# Altium PCB mantarray_beta2_sensor_arrayed.PcbDoc (part 2 of 4)
Units mil, origin at the board's own origin, x right, y up, seen from the top; angles counter-clockwise.
Board outline 13674.34 x 20798.35 mil, 2 copper layers (Layer1_Top, Layer8_BOT); 47 components, 273 nets, 1821 pads, 734 vias.
Unrouted connection lines stored in the file: 1.
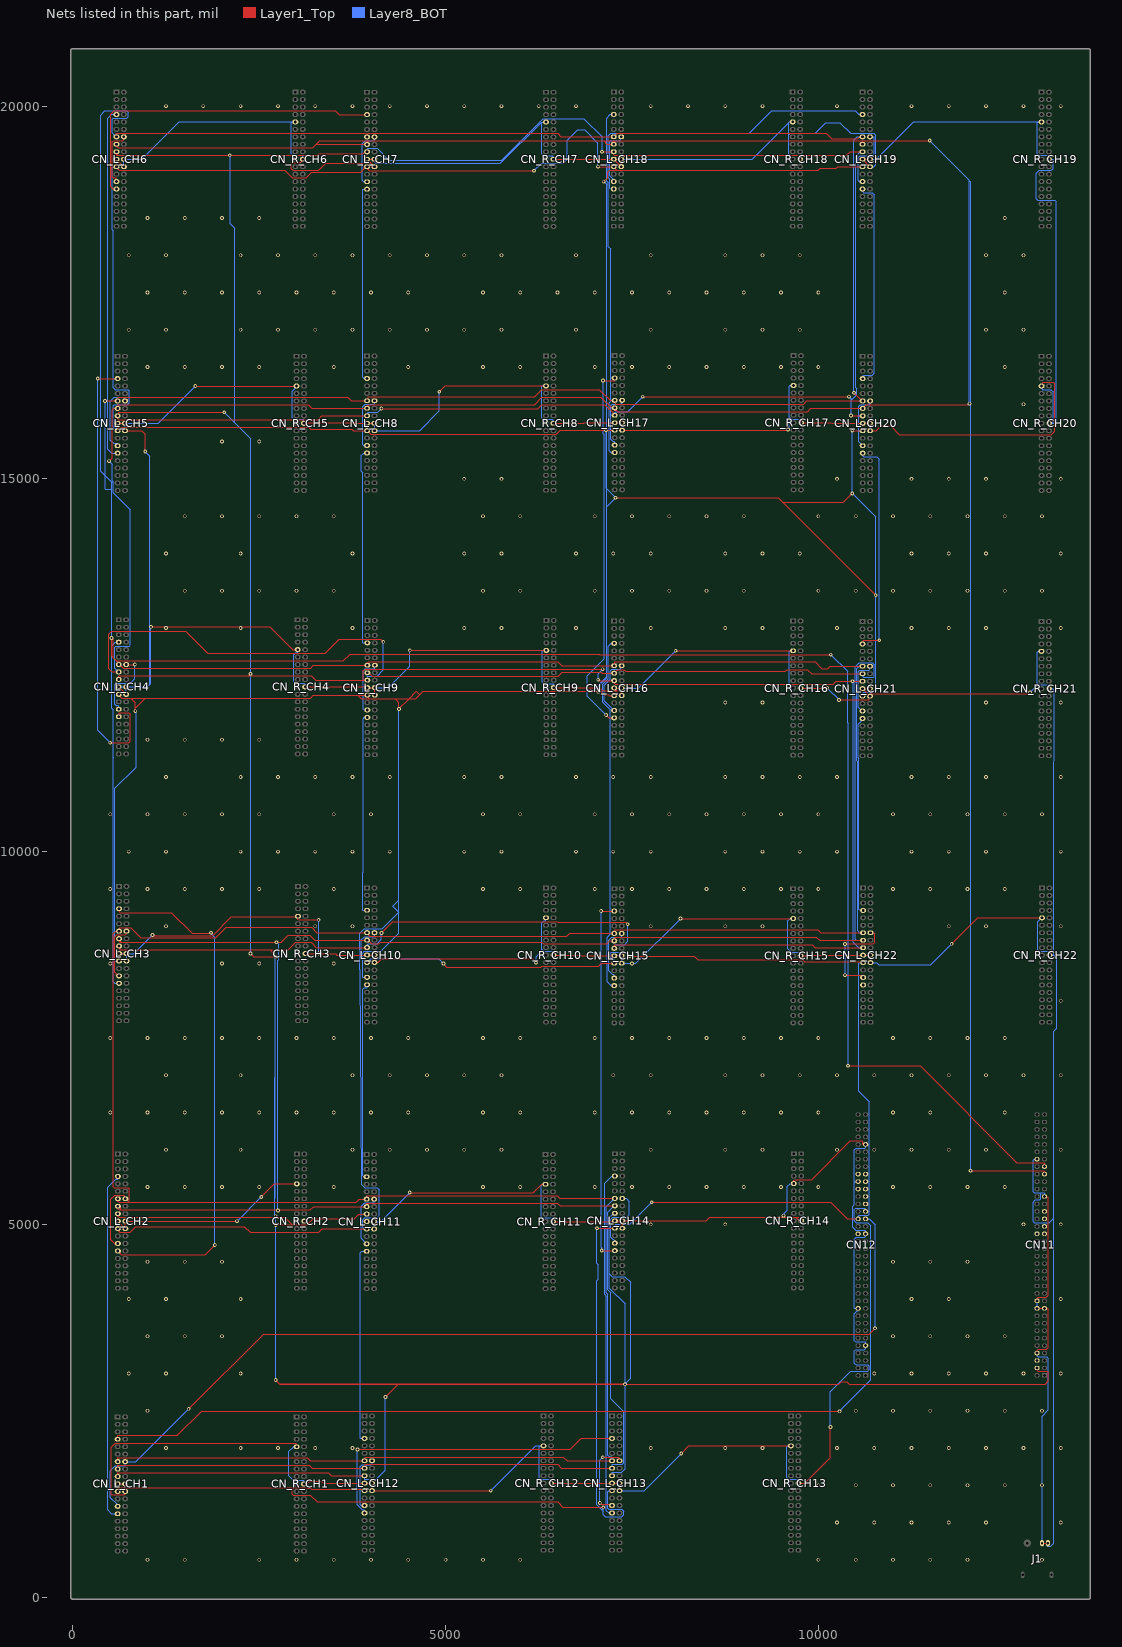
[diagram p2: the nets of this part, all layers, seen from the top]

## Via types
v1: diameter 50, hole 30, Layer1_Top to Layer8_BOT, 454 vias
v2: diameter 50, hole 25, Layer1_Top to Layer8_BOT, 278 vias
v3: diameter 70.87, hole 47.24, Layer1_Top to Layer8_BOT, 2 vias

## Nets (pads, with @x,y where several pads share a name; then routed paths per layer and width w, separated by ;. In a path a pad name is that pad's centre, name@x,y a point inside that pad or via, vN(x,y) a via of type N, cw(c..) or ccw(c..) an arc to the next point about the centre after c; other vN are vias at no path point) (continued)
BUS7: CN12.44 CN_L_CH1.21 CN_L_CH2.21 CN_L_CH3.21 CN_L_CH4.21 CN_L_CH5.21 CN_L_CH6.21 CN_L_CH7.21 CN_L_CH8.21 CN_L_CH9.21 CN_L_CH10.21 CN_L_CH11.21 CN_L_CH12.21 CN_L_CH13.21 CN_L_CH14.21 CN_L_CH15.21 CN_L_CH16.21 CN_L_CH17.21 CN_L_CH18.21 CN_L_CH19.21 CN_L_CH20.21 CN_L_CH21.21 CN_L_CH22.21 | length 91356.8
  Layer1_Top w10: CN_L_CH6.21@584.19,19187.8 584.19,19180 624.19,19140 2842,19140 2942,19040 3132,19040 3207,19115 3864,19115 3911,19162 3911,19186.46 CN_L_CH7.21@3946.34,19186.46 3946.34,19160 3972.34,19134 v2(6185,19134) ; CN_L_CH5.21@599.88,15645.12 599.88,15676 618.88,15695 3165.05,15695 3193.36,15666.69 3738.31,15666.69 3757.91,15647.09 CN_L_CH8.21@3946.34,15647.09 3947.91,15647.09 3996,15599 6485.65,15599 6539.64,15652.99 v2(7152,15652.99) CN_L_CH17.21@7267.2,15652.99 ; CN_L_CH1.21@600.91,1417.8 610,1417.8 610,1449 627,1466 2971,1466 ; CN_L_CH2.21@603.88,4943.31 603.88,4919 627.88,4895 767,4895 840,4968 2302,4968 2379,4891 3295,4891 3342.43,4938.43 CN_L_CH11.21@3940.43,4938.43 ; CN_L_CH4.21@615.14,12109.69 635,12109.69 635,12078 653,12060 778,12060 ; v2(838,11884) 838,11924 ; CN_L_CH12.21@3912.87,1428.58 3892.25,1428.58 3872.02,1448.82 3205.18,1448.82 3194,1460 ; v2(4970,8499) 4970,8494 5014.2,8449.8 6273,8449.8 6288.2,8465 7052.24,8465 7090,8502.76 CN_L_CH15.21@7262.15,8502.76 ; v2(7029,4948) CN_L_CH14.21@7270.02,4948.03 ; v2(7043,19188.43) CN_L_CH18.21@7255.39,19188.43 7275,19188.43 7275,19157 7293,19139 ; v2(7051,12146) v2@7051,12150 ; v2(7115,1204) 6574,1204 6501,1277 3277,1277 3186,1368 2957,1368 2945,1380 2945,1440 2971,1466 ; v2(7120,18987) 7175,19042 7175,19114 7200,19139 7293,19139 ; CN_L_CH16.21@7261.3,12093.94 7196,12093.94 7188.5,12101.44 7126.4,12101.44 7077.84,12150 v2@7051,12150 ; v2(7279,14747) 9460.06,14747 9521.06,14686 ; v2(7465,8598) 8337,8598 8383,8552 9791,8552 9819,8524 10575,8524 10587.74,8511.26 CN_L_CH22.21@10599.88,8511.26 ; v2(7765,5296) 10167,5296 10389.38,5073.62 CN12.44@10533.8,5073.62 ; v2(10454,14804) 10336,14686 9521.06,14686 ; v2(10454,15646) 10454.88,15645.12 CN_L_CH20.21@10593.98,15645.12 ; CN_L_CH19.21@10592.46,19187.8 10260,19187.8 10242.2,19170 10028,19170 9997,19139 7293,19139 ; v2(10768,13439.06) 9521.06,14686 ; 778,12060 974,12060 ; 778,12060 838,12000 838,11924 ; 838,11924 974,12060 ; 974,12060 3191.16,12060 3226.79,12095.63 ; 2971,1466 3142,1466 ; 3142,1466 3188,1466 3194,1460 ; 3142,1466 3148,1460 3194,1460 ; 3226.79,12095.63 CN_L_CH9.21@3950,12099.84 ; 3226.79,12095.63 3818.37,12095.63 3866,12048 4325,12048 4373,12000 v2(4373,11914) 4509,12050 ; CN_L_CH9.21@3950,12099.84 3950,12069 3988,12050 4509,12050 ; CN_L_CH9.21@3950,12099.84 CN_L_CH9.21@3950.28,12099.84 CN_L_CH9.21@3950,12099.84 ; 4509,12050 4598,12050 4653.5,12105.5 ; 4509,12050 4609,12150 4653.5,12105.5 ; 4653.5,12105.5 4698,12150 v2(6942,12150) v2@7051,12150
  Layer8_BOT w10: CN_L_CH6.21@584.19,19187.8 540,19187.8 529,19176.8 529,18340 544,18325 544,16220 571,16193 742,16193 755,16180 755,16020 728,15993 557,15993 544,15980 544,15698 566,15676 599.88,15676 CN_L_CH5.21@599.88,15645.12 ; CN_L_CH3.21@619.57,8532.91 564.57,8532.91 564.57,10847 852,11134.43 852,11892 846,11898 838,11898 v2(838,11884) ; CN_L_CH11.21@3940.43,4938.43 3906,4938.43 3885.43,4958.99 3885.43,5060 3913.43,5088 4080,5088 4107,5115 4107,5464 4081,5490 3914,5490 3865,5539 3851,8414 3851,8906 3908,8963 4149,8963 4373,9187 ; v2(4373,11914) 4373,9348 ; v2(4970,8499) 4906,8563 3996,8563 3977,8544 3977,8513.23 CN_L_CH10.21@3946.34,8513.23 3931,8513.23 3931,8544 3891.34,8583.66 3891.34,8646.34 3908,8663 4133,8663 4373,8903 4373,9187 ; v2(6185,19134) 6287,19236 6580,19236 6631,19287 6631,19539 6772,19680 6866,19680 7043,19503 v2(7043,19188.43) ; v2(6942,12150) 6977.48,12150 7051,12223.52 ; v2(7029,4948) 7029,4478.33 7049,4458.33 7049,4265.5 7029,4245.5 7029,1240 7115,1154 ; v2(7051,12146) 7051,12223.52 ; v2(7115,1204) 7115,1154 ; v2(7120,18987) 7126.48,18987 7160,18953.48 7160,14866 ; v2(7152,15652.99) 7152,14874 7160,14866 ; CN_L_CH13.21@7231.77,1428.58 7190,1428.58 7176.77,1415.35 7176.77,1190.23 7188,1179 7360,1179 7387,1152 7387,1108 7360,1081 7140,1081 7115,1106 7115,1154 ; CN_L_CH15.21@7262.15,8502.76 7263,8502.76 7263,8542.26 7250,8555.26 7231.89,8555.26 7207.15,8580 7207.15,8640 7219.15,8652 7411,8652 v2(7465,8598) ; CN_L_CH14.21@7270.02,4948.03 7270.02,4990 7280.02,5000 7469,5000 v2(7765,5296) ; v2(10454,15646) v2(10454,14804) 10768,14490.49 v2(10768,13439.06) 10768,12179 10727,12138 10610,12138 10592.01,12120.01 CN_L_CH21.21@10592.01,12086.06 ; CN12.44@10533.8,5073.62 10533.8,5110 10547.8,5124 10670,5124 10685,5139 10685,6648 10544,6789 10544,8500 10555.26,8511.26 CN_L_CH22.21@10599.88,8511.26 ; 4373,9187 4373,9348 ; 4373,9187 4292.5,9267.5 4373,9348 ; 7051,12223.52 7160,12332.52 7160,12345.74 ; 7051,12223.52 7051,12236.74 7160,12345.74 ; 7160,12345.74 7160,14628 ; 7160,14628 7160,14866 ; 7160,14628 v2(7279,14747) 7160,14866
BUS8: CN12.40
BUS9: CN12.52
BUS10: CN12.47
BUS11: CN12.56
BUS12: CN12.49
BUS13: CN12.55
BUS14: CN12.51
BUS15: CN12.53
BUS_C0: CN11.57 CN_L_CH1.13 CN_L_CH2.13 CN_L_CH3.13 CN_L_CH4.13 CN_L_CH5.13 CN_L_CH6.13 CN_L_CH7.13 CN_L_CH8.13 CN_L_CH9.13 CN_L_CH10.13 CN_L_CH11.13 CN_L_CH12.13 CN_L_CH13.13 CN_L_CH14.13 CN_L_CH15.13 CN_L_CH16.13 CN_L_CH17.13 CN_L_CH18.13 CN_L_CH19.13 CN_L_CH20.13 CN_L_CH21.13 CN_L_CH22.13 | length 97955.6
  Layer1_Top w10: v2(431,16045.12) CN_L_CH5.13@599.88,16045.12 599.88,16082.88 610,16093 3686.09,16093 3732,16047.09 CN_L_CH8.13@3946.34,16047.09 3960,16099 6196,16099 6292,16195 7062.99,16195 7205,16052.99 CN_L_CH17.13@7267.2,16052.99 7267.2,16019.8 7284,16003 9801,16003 9843.12,16045.12 CN_L_CH20.13@10593.98,16045.12 10593.98,16076 10556,16076 v2(10477,16155) ; CN_L_CH6.13@584.19,19587.8 584.19,19636 3930.34,19636 3946.34,19620 ; CN_L_CH1.13@600.91,1817.8 600.91,1868 3142,1868 3181.42,1828.58 CN_L_CH12.13@3912.87,1828.58 3912.87,1861.87 3930,1879 6579,1879 6629.42,1828.58 CN_L_CH13.13@7231.77,1828.58 ; CN_L_CH2.13@603.88,5343.31 603.88,5310 618.88,5295 734,5295 ; CN_L_CH7.13@3946.34,19586.46 3946.34,19620 ; CN_L_CH18.13@7255.39,19588.43 6546.57,19588.43 6501,19634 3960,19634 3946.34,19620.34 3946.34,19620 ; CN_L_CH18.13@7255.39,19588.43 7305,19638 10103,19638 10179,19562 10526,19562 10551.8,19587.8 CN_L_CH19.13@10592.46,19587.8 ; CN_L_CH14.13@7270.02,5348.03 6533.97,5348.03 6496,5386 3940.43,5386 CN_L_CH11.13@3940.43,5338.43 3844.43,5338.43 3801,5295 734,5295 ; v2(10166,12642) 7068,12642 7060,12650 3718,12650 3628,12560 580,12560 ; v2(10398,7128) 11365,7128 12664,5829 13020,5829 13033.8,5815.2 CN11.57@13033.8,5773.62 ; CN_L_CH21.13@10592.01,12486.06 10157.7,12486.06 10126,12454.37 10046,12454.37 9956.37,12544 7275.3,12544 7261.3,12530 CN_L_CH16.13@7261.3,12493.94 6559.94,12493.94 6503.88,12550 3960.28,12550 3950.28,12540 CN_L_CH9.13@3950.28,12499.84 3226.84,12499.84 3189,12462 675.32,12462 627.64,12509.69 CN_L_CH4.13@615.14,12509.69 615.14,12524.86 580,12560 ; CN_L_CH22.13@10599.88,8911.26 10030.74,8911.26 9989,8953 7275.15,8953 7262.15,8940 CN_L_CH15.13@7262.15,8902.76 6661.76,8902.76 6622,8863 3984,8863 3965,8882 3965,8913.23 CN_L_CH10.13@3946.34,8913.23 3273.77,8913.23 3204,8983 2059,8983 1919,8843 913,8843 775,8981 630,8981 619.57,8970.57 CN_L_CH3.13@619.57,8932.91 576.91,8932.91 544,8900 544,5504 555,5493 746,5493 759,5480 759,5320 734,5295 ; 540,12600 580,12560 ; 540,12600 518,12622 v2(518,12865) 540,12843 540,12600
  Layer8_BOT w10: v2(431,16045.12) 431,15042.12 ; v2(518,12865) 518,14858 ; CN_L_CH6.13@584.19,19587.8 584.19,19619 550,19619 529,19640 529,19827 540,19838 720,19838 740,19858 740,19916 720,19936 430,19936 374,19880 374,15099.12 431,15042.12 ; CN_L_CH13.13@7231.77,1828.58 7231.77,1870 7220.69,1881.08 7200,1881.08 7176.77,1904.31 7176.77,4060.53 7155.02,4082.28 7155.02,5233.03 CN_L_CH14.13@7270.02,5348.03 ; v2(10166,12642) 10391,12417 10391,11729.89 10398,11722.89 v2(10398,7128) ; v2(10477,16155) 10477,19544.8 10520,19587.8 CN_L_CH19.13@10592.46,19587.8 ; CN_L_CH21.13@10592.01,12486.06 10550,12486.06 10517.01,12453.07 10517.01,11218.56 10524.88,11210.69 10524.88,8936.38 10550,8911.26 CN_L_CH22.13@10599.88,8911.26 ; 431,15042.12 518,14955.12 518,14858 ; 431,15042.12 431,14858 518,14858
BUS_C1: CN11.55 CN_L_CH1.15 CN_L_CH2.15 CN_L_CH3.15 CN_L_CH4.15 CN_L_CH5.15 CN_L_CH6.15 CN_L_CH7.15 CN_L_CH8.15 CN_L_CH9.15 CN_L_CH10.15 CN_L_CH11.15 CN_L_CH12.15 CN_L_CH13.15 CN_L_CH14.15 CN_L_CH15.15 CN_L_CH16.15 CN_L_CH17.15 CN_L_CH18.15 CN_L_CH19.15 CN_L_CH20.15 CN_L_CH21.15 CN_L_CH22.15 | length 93483.4
  Layer1_Top w10: v2(485,15238) 524.88,15277.88 524.88,15919.88 550.12,15945.12 CN_L_CH5.15@599.88,15945.12 599.88,15982.88 610,15993 3155,15993 3200.91,15947.09 CN_L_CH8.15@3946.34,15947.09 3946.34,15981 3962.34,15997 6193,15997 6291,16095 7083,16095 7225.01,15952.99 CN_L_CH17.15@7267,15952.99 ; CN_L_CH6.15@584.19,19487.8 584.19,19464 608.19,19440 3216,19440 3262.46,19486.46 ; CN_L_CH1.15@600.91,1717.8 600.91,1768 3172,1768 3211.42,1728.58 CN_L_CH12.15@3912.87,1728.58 3912.87,1761.87 3930,1779 6501,1779 6551.42,1728.58 CN_L_CH13.15@7231.77,1728.58 ; CN_L_CH4.15@615.14,12409.69 520,12409.69 478,12451.69 478,12915 521,12958 1514,12958 1812,12660 3386,12660 3576,12850 4129,12850 v2(4165,12814) ; CN_L_CH3.15@619.57,8832.91 CN_L_CH3.15@619.57,8817 ; v2(2751,5187) v2@2743,5195 ; CN_L_CH9.15@3950.28,12399.84 3965.81,12399.84 4013.66,12352 6511,12352 6563.15,12404.15 7088.59,12404.15 7098.8,12393.94 CN_L_CH16.15@7261.3,12393.94 7261.3,12397.3 7306,12442 7391,12442 7416,12417 9558,12417 9583,12442 9852,12442 9907.94,12386.06 CN_L_CH21.15@10592.01,12386.06 ; CN_L_CH17.15@7267.2,15952.99 CN_L_CH17.15@7267,15952.99 ; CN_L_CH14.15@7270.02,5248.03 6536.97,5248.03 6499,5286 3940.43,5286 CN_L_CH11.15@3940.43,5238.43 3228.43,5238.43 3185,5195 v2@2743,5195 ; CN_L_CH19.15@10592.46,19487.8 10592.46,19520.46 ; CN_L_CH22.15@10599.88,8811.26 10015.74,8811.26 9974,8853 7275.15,8853 7262.15,8840 CN_L_CH15.15@7262.15,8802.76 7200,8802.76 7158.24,8761 6308,8761 6287,8782 4123,8782 4106,8765 4007,8765 3980,8792 3946.34,8792 CN_L_CH10.15@3946.34,8813.23 3242.77,8813.23 3175,8881 2891,8881 2795,8785 v2(2730,8785) 651.57,8785 ; v2(11494,19538) 10610,19538 ; v2(12026,16009) 12012,15995 10644,15995 10594.12,15945.12 CN_L_CH20.15@10593.98,15945.12 9897.12,15945.12 9855,15903 7305,15903 7286,15922 7267,15922 CN_L_CH17.15@7267,15952.99 ; v2(12042,5719) 13020,5719 13033.8,5705.2 CN11.55@13033.8,5673.62 ; CN_L_CH3.15@619.57,8817 619.57,8795.43 630,8785 651.57,8785 ; CN_L_CH3.15@619.57,8817 651.57,8785 ; 649,5195 v2@2743,5195 ; 649,5195 618.88,5195 603.88,5210 CN_L_CH2.15@603.88,5243.31 641,5243.31 641,5203 649,5195 ; 3262.46,19486.46 3310,19534 3960,19534 ; 3262.46,19486.46 CN_L_CH7.15@3946.34,19486.46 3946.34,19520.34 3960,19534 ; 3960,19534 7080,19534 ; 7080,19534 7119,19534 7164.57,19488.43 CN_L_CH18.15@7255.39,19488.43 7255.39,19523.39 7270,19538 ; 7080,19534 7084,19538 7270,19538 ; 7270,19538 10580,19538 ; 10580,19538 10610,19538 ; 10580,19538 10592.46,19525.54 10592.46,19520.46 ; 10592.46,19520.46 10610,19538
  Layer8_BOT w10: v2(485,15238) 524.88,15198.12 524.88,14977.62 544,14958.5 544,14812 771,14585 771,12769 760,12758 578.14,12758 560.14,12740 560.14,12462 579,12443.14 579,12409.69 CN_L_CH4.15@615.14,12409.69 ; v2(2730,8785) 2758.31,8756.69 2758.31,8549.82 2751,8542.51 v2(2751,5187) ; CN_L_CH9.15@3950.28,12399.84 3950.28,12352 4080,12352 4165,12437 v2(4165,12814) ; CN_L_CH13.15@7231.77,1728.58 7231.77,1779 7366,1779 7387,1800 7387,2487 7215.02,2658.98 7215.02,4080.53 7175.02,4120.53 7175.02,5159.27 7263.78,5248.03 CN_L_CH14.15@7270.02,5248.03 ; CN_L_CH21.15@10592.01,12386.06 10592.01,12350 10606.01,12336 10737,12336 10747.01,12346.01 10747.01,12506.99 10720,12534 10551,12534 10497,12480 10497,8826.26 10512,8811.26 CN_L_CH22.15@10599.88,8811.26 ; v2(11494,19538) 12026,19006 12026,18990 ; v2(12026,16009) 12026,18990 ; v2(12042,5719) 12042,18990 12026,18990
BUS_C2: CN11.4 CN_L_CH1.17 CN_L_CH2.17 CN_L_CH3.17 CN_L_CH4.17 CN_L_CH5.17 CN_L_CH6.17 CN_L_CH7.17 CN_L_CH8.17 CN_L_CH9.17 CN_L_CH10.17 CN_L_CH11.17 CN_L_CH12.17 CN_L_CH13.17 CN_L_CH14.17 CN_L_CH15.17 CN_L_CH16.17 CN_L_CH17.17 CN_L_CH18.17 CN_L_CH19.17 CN_L_CH20.17 CN_L_CH21.17 CN_L_CH22.17 | length 101694.7
  Layer1_Top w10: CN_L_CH6.17@584.19,19387.8 CN_L_CH6.17@584.19,19364 ; CN_L_CH1.17@600.91,1617.8 600.91,1668 3428.46,1668 3467.87,1628.58 CN_L_CH12.17@3912.87,1628.58 ; CN_L_CH2.17@603.88,5143.31 603.88,5110 618.88,5095 v2@2705,5095 ; CN_L_CH4.17@615.14,12309.69 615.14,12350 625.14,12360 2358,12360 ; v2(2030,15893) 623.88,15893 599.88,15869 CN_L_CH5.17@599.88,15845.12 599.88,15805.12 610,15795 3288,15795 3340.09,15847.09 CN_L_CH8.17@3946.34,15847.09 ; v2(2383,8632) 2426,8589 v2(2718,8589) ; v2(2384,12386) 2358,12360 ; v2@2718,8590 2691,8617 2691,8640 2646,8685 ; v2(2720,2911) 2771,2860 ; v2(2720,4993) 2941,4993 ; v2(2720,5110) v2@2705,5095 ; CN_L_CH11.17@3940.43,5138.43 3834,5138.43 3773.57,5078 3224,5078 3139,4993 2941,4993 ; CN_L_CH10.17@3946.34,8713.23 3266.77,8713.23 3195,8785 2987,8785 2887,8685 2646,8685 ; CN_L_CH7.17@3946.34,19386.46 3920.46,19386.46 3897,19363 3307,19363 3284,19340 v2(2104,19340) 608.19,19340 ; v2(4138,15943) 6239,15943 6291,15995 7136.2,15995 7267.2,15864 CN_L_CH17.17@7267.2,15852.99 ; v2(4139,8908) 4292,9061 6501,9061 6511,9051 7417,9051 v2(7442,9026) ; v2(4192,2683) 4363,2854 ; v2(7046,12305) 7057.06,12293.94 CN_L_CH16.17@7261.3,12293.94 7261.3,12260 7275.3,12246 10196.94,12246 10237,12286.06 v2(10457,12286.06) CN_L_CH21.17@10592.01,12286.06 ; v2(7099,19388.43) CN_L_CH18.17@7255.39,19388.43 7255.39,19350 7267.39,19338 10375,19338 10424.8,19387.8 CN_L_CH19.17@10592.46,19387.8 ; v2(7106,12448) 3920,12448 3895,12423 3895,12310 CN_L_CH9.17@3950.28,12299.84 3255.16,12299.84 3195,12360 2358,12360 ; CN_L_CH15.17@7262.15,8702.76 7262.15,8740 7275.15,8753 9917.26,8753 9959,8711.26 CN_L_CH22.17@10599.88,8711.26 ; v2@7426,2860 2771,2860 ; v2(7645,16103) v2(10410,16103) ; v2(10439,15850) 10443.88,15845.12 CN_L_CH20.17@10593.98,15845.12 ; CN11.4@12933.8,3073.62 12933.8,3040 12944.8,3029 13070,3029 13085,3014 13085,2899 13040,2854 10413.4,2854 10378.3,2889.1 10305.8,2889.1 10270.7,2854 v2(7407,2854) 4363,2854 ; CN_L_CH6.17@584.19,19364 584.19,19350 594.19,19340 608.19,19340 ; CN_L_CH6.17@584.19,19364 608.19,19340 ; 630,8685 2646,8685 ; 630,8685 CN_L_CH3.17@619.57,8732.91 619.57,8695.43 630,8685 ; v2@2705,5095 2839,5095 2941,4993 ; 2771,2860 2777,2854 4363,2854
  Layer8_BOT w10: v2(2030,15893) 2030.23,15893 2169,15754.23 ; v2(2104,19340) 2111,19333 2111,18421 2169,18363 2169,15754 2384,15539 v2(2384,12386) ; v2(2383,8632) v2@2383,12386 ; v2(2718,8589) 2716,8587 2716,5354 2711,5349 ; v2@2718,8590 2716,8588 2711,5349 ; v2(2720,2911) v2(2720,4993) 2720,5075 2711,5084 v2@2711,5119 ; v2(2720,5110) v2@2711,5119 ; CN_L_CH12.17@3912.87,1628.58 3912.87,1581 4068,1581 4192,1705 v2(4192,2683) ; CN_L_CH10.17@3946.34,8713.23 3946.34,8750 3959.34,8763 4080,8763 4139,8822 v2(4139,8908) ; CN_L_CH8.17@3946.34,15847.09 3946.34,15883.34 3960,15897 4092,15897 v2(4138,15943) ; CN_L_CH7.17@3946.34,19386.46 3946.34,19420.34 3960,19434 4082,19434 4239,19277 5752,19277 6309,19834 6852,19834 7099,19587 v2(7099,19388.43) ; v2(7046,12305) 7046,12388 v2(7106,12448) ; CN_L_CH13.17@7231.77,1628.58 7231.77,1678 7365,1678 7407,1720 v2(7407,2854) 7407,2862.2 7407,3933.53 7195.02,4145.51 7195.02,4340 ; CN_L_CH15.17@7262.15,8702.76 7262.15,8740 7275.15,8753 7400,8753 7442,8795 v2(7442,9026) ; CN_L_CH17.17@7267.2,15852.99 7267.2,15890.2 7280,15903 7445,15903 v2(7645,16103) ; CN_L_CH14.17@7270.02,5148.03 7252.5,5148.03 7195.02,5090.55 7195.02,4340 ; v2@7407.48,2862.2 7484.25,2938.98 7484.25,4221.75 7406,4300 7235.02,4300 7195.02,4340 ; v2(10410,16103) 10439,16074 10439,16052 ; v2(10439,15850) 10439,16052 ; v2(10457,12286.06) 10471,12272.06 10471,8783 10542.74,8711.26 CN_L_CH22.17@10599.88,8711.26 ; CN_L_CH19.17@10592.46,19387.8 10561,19387.8 10498,19324.8 10498,16225 10517,16206 10517,16130 10439,16052 ; v2@2711,5119 2711,5349
BUS_C3: CN11.40
BUS_C4: CN11.39
BUS_C5: CN11.41
BUS_C6: CN11.43
BUS_C7: CN11.45
CHN_BT0_0: CN12.45 CN_L_CH1.7 | length 13123.6
  Layer1_Top w10: CN_L_CH1.7@600.91,2117.8 600.91,2168 1402,2168 1726,2492 v2(10283,2492)
  Layer8_BOT w10: v2(10283,2492) 10704.23,2913.23 10704.23,4980.77 10661,5024 10511,5024 10483.37,5051.63 10483.37,5201.52 10500,5218.15 10620,5218.15 10633.8,5204.35 CN12.45@10633.8,5173.62
CHN_BT0_1: CN_L_CH1.27 CN_L_CH2.7 | length 4707.5
  Layer8_BOT w10: CN_L_CH1.27@600.91,1117.8 516.06,1117.8 464.57,1169.29 464.57,5496.57 572.88,5604.88 603.88,5604.88 CN_L_CH2.7@603.88,5643.31
CHN_BT0_2: CN_L_CH2.27 CN_L_CH3.7 | length 7001.2
  Layer1_Top w10: CN_L_CH2.27@603.88,4643.31 636,4643.31 636,4608 649,4595 1777,4595 v2(1904,4722) ; CN_L_CH3.7@619.57,9232.91 619.57,9193.43 630,9183 1322,9183 1602,8903 1807.36,8903 1812.36,8908 1848.32,8908 v2(1852.36,8912.05)
  Layer8_BOT w10: v2(1852.36,8912.05) 1852.36,8905.51 1904,8853.87 v2(1904,4722)
CHN_BT0_3: CN_L_CH3.27 CN_L_CH4.7 | length 4716.3
  Layer8_BOT w10: CN_L_CH4.7@615.14,12809.69 570,12809.69 520.14,12759.82 520.14,11922.19 540.14,11902.19 540.14,11266.05 544.57,11261.62 544.57,8252.35 564,8232.91 CN_L_CH3.27@619.57,8232.91
CHN_BT0_4: CN_L_CH4.27 CN_L_CH5.7 | length 6064.5
  Layer1_Top w10: v2(334,16345.12) CN_L_CH5.7@599.88,16345.12 ; v2(500,11460) 751,11460 771,11480 771,11840 751,11860 625.14,11860 CN_L_CH4.27@615.14,11809.69
  Layer8_BOT w10: v2(334,16345.12) 334,11626 v2(500,11460)
CHN_BT0_5: CN_L_CH5.27 CN_L_CH6.7 | length 4728.1
  Layer8_BOT w10: CN_L_CH6.7@584.19,19887.8 518.8,19887.8 471,19840 471,15394.12 520,15345.12 CN_L_CH5.27@599.88,15345.12
CHN_BT0_6: CN_L_CH6.27 CN_L_CH7.7 | length 4538.8
  Layer1_Top w10: CN_L_CH6.27@584.19,18887.8 540,18887.8 509.19,18918.6 509.19,19892.19 555,19938 3522,19938 3573.54,19886.46 CN_L_CH7.7@3946.34,19886.46
CHN_BT0_7: CN_L_CH7.27 CN_L_CH8.7 | length 2642.5
  Layer8_BOT w10: CN_L_CH8.7@3946.34,16347.09 3903.91,16347.09 3891,16360 3891,18886.46 CN_L_CH7.27@3946.34,18886.46
CHN_BT0_8: CN_L_CH8.27 CN_L_CH9.7 | length 2671.5
  Layer8_BOT w10: CN_L_CH8.27@3946.34,15347.09 3898.42,15347.09 3871.34,15320 3871.34,15099.25 3891,15079.59 3891,12803.84 3895,12799.84 CN_L_CH9.7@3950.28,12799.84
CHN_BT0_9: CN_L_CH9.27 CN_L_CH10.7 | length 2690.1
  Layer8_BOT w10: CN_L_CH10.7@3946.34,9213.23 3891,9213.23 3891,9716 3895,9720 3895,11784.84 3910,11799.84 CN_L_CH9.27@3950.28,11799.84
CHN_BT0_10: CN_L_CH10.27 CN_L_CH11.7 | length 2671.7
  Layer8_BOT w10: CN_L_CH11.7@3940.43,5638.43 3896.57,5638.43 3885,5650 3885,8155 3907.34,8177.34 3946.34,8177.34 CN_L_CH10.27@3946.34,8213.23
CHN_BT0_11: CN_L_CH11.27 CN_L_CH12.7 | length 2636.7
  Layer8_BOT w10: CN_L_CH12.7@3912.87,2128.58 3861,2128.58 3857,2132.58 3857,4621.12 3874.31,4638.43 CN_L_CH11.27@3940.43,4638.43
CHN_BT0_12: CN_L_CH12.27 CN_L_CH13.7 | length 4379.7
  Layer1_Top w10: v2(3817,1981) 6670.84,1981 6818.42,2128.58 CN_L_CH13.7@7231.77,2128.58
  Layer8_BOT w10: v2(3817,1981) 3817,1237 3880,1174 3900,1174 3912.87,1161.13 CN_L_CH12.27@3912.87,1128.58
CHN_BT0_13: CN_L_CH13.27 CN_L_CH14.7 | length 4664.9
  Layer8_BOT w10: CN_L_CH13.27@7231.77,1128.58 7187.42,1128.58 7156.77,1159.23 7156.77,4038.78 7135.02,4060.53 7135.02,5553.05 7230,5648.03 CN_L_CH14.7@7270.02,5648.03
CHN_BT0_14: CN_L_CH14.27 CN_L_CH15.7 | length 4909.6
  Layer1_Top w10: v2(7086,9202.76) CN_L_CH15.7@7262.15,9202.76 ; v2(7095.02,4648.03) CN_L_CH14.27@7270.02,4648.03
  Layer8_BOT w10: v2(7086,9202.76) 7086,4693.03 7091,4688.03 7091,4652.05 v2(7095.02,4648.03)
CHN_BT0_15: CN_L_CH15.27 CN_L_CH16.7 | length 4801.9
  Layer8_BOT w10: CN_L_CH16.7@7261.3,12793.94 7219.94,12793.94 7180.07,12754.07 7180.07,12315.68 7106.3,12241.91 7106.3,12004.89 7206,11905.19 7206,11029 7207,11028 7207,8890.11 7167.15,8850.26 7167.15,8255.61 7220,8202.76 CN_L_CH15.27@7262.15,8202.76
CHN_BT0_16: CN_L_CH16.27 CN_L_CH17.7 | length 5003.6
  Layer1_Top w10: v2(7112,16319) 7267.2,16319 CN_L_CH17.7@7267.2,16352.99 ; v2(7153,11832) 7191.06,11793.94 CN_L_CH16.27@7261.3,11793.94
  Layer8_BOT w10: v2(7112,16319) 7112,15608.54 7127,15593.54 7127,12585 6902,12360 6902,12083 v2(7153,11832)
CHN_BT0_17: CN_L_CH17.27 CN_L_CH18.7 | length 4690.1
  Layer8_BOT w10: CN_L_CH18.7@7255.39,19888.43 7210,19888.43 7160.39,19838.82 7160.39,18993.48 7180.39,18973.48 7180.39,18116.61 7212,18085 7212,16040.29 7192.2,16020.49 7192.2,15380 7219.21,15352.99 CN_L_CH17.27@7267.2,15352.99